# KiCad board Kimiro.kicad_pcb (continued)
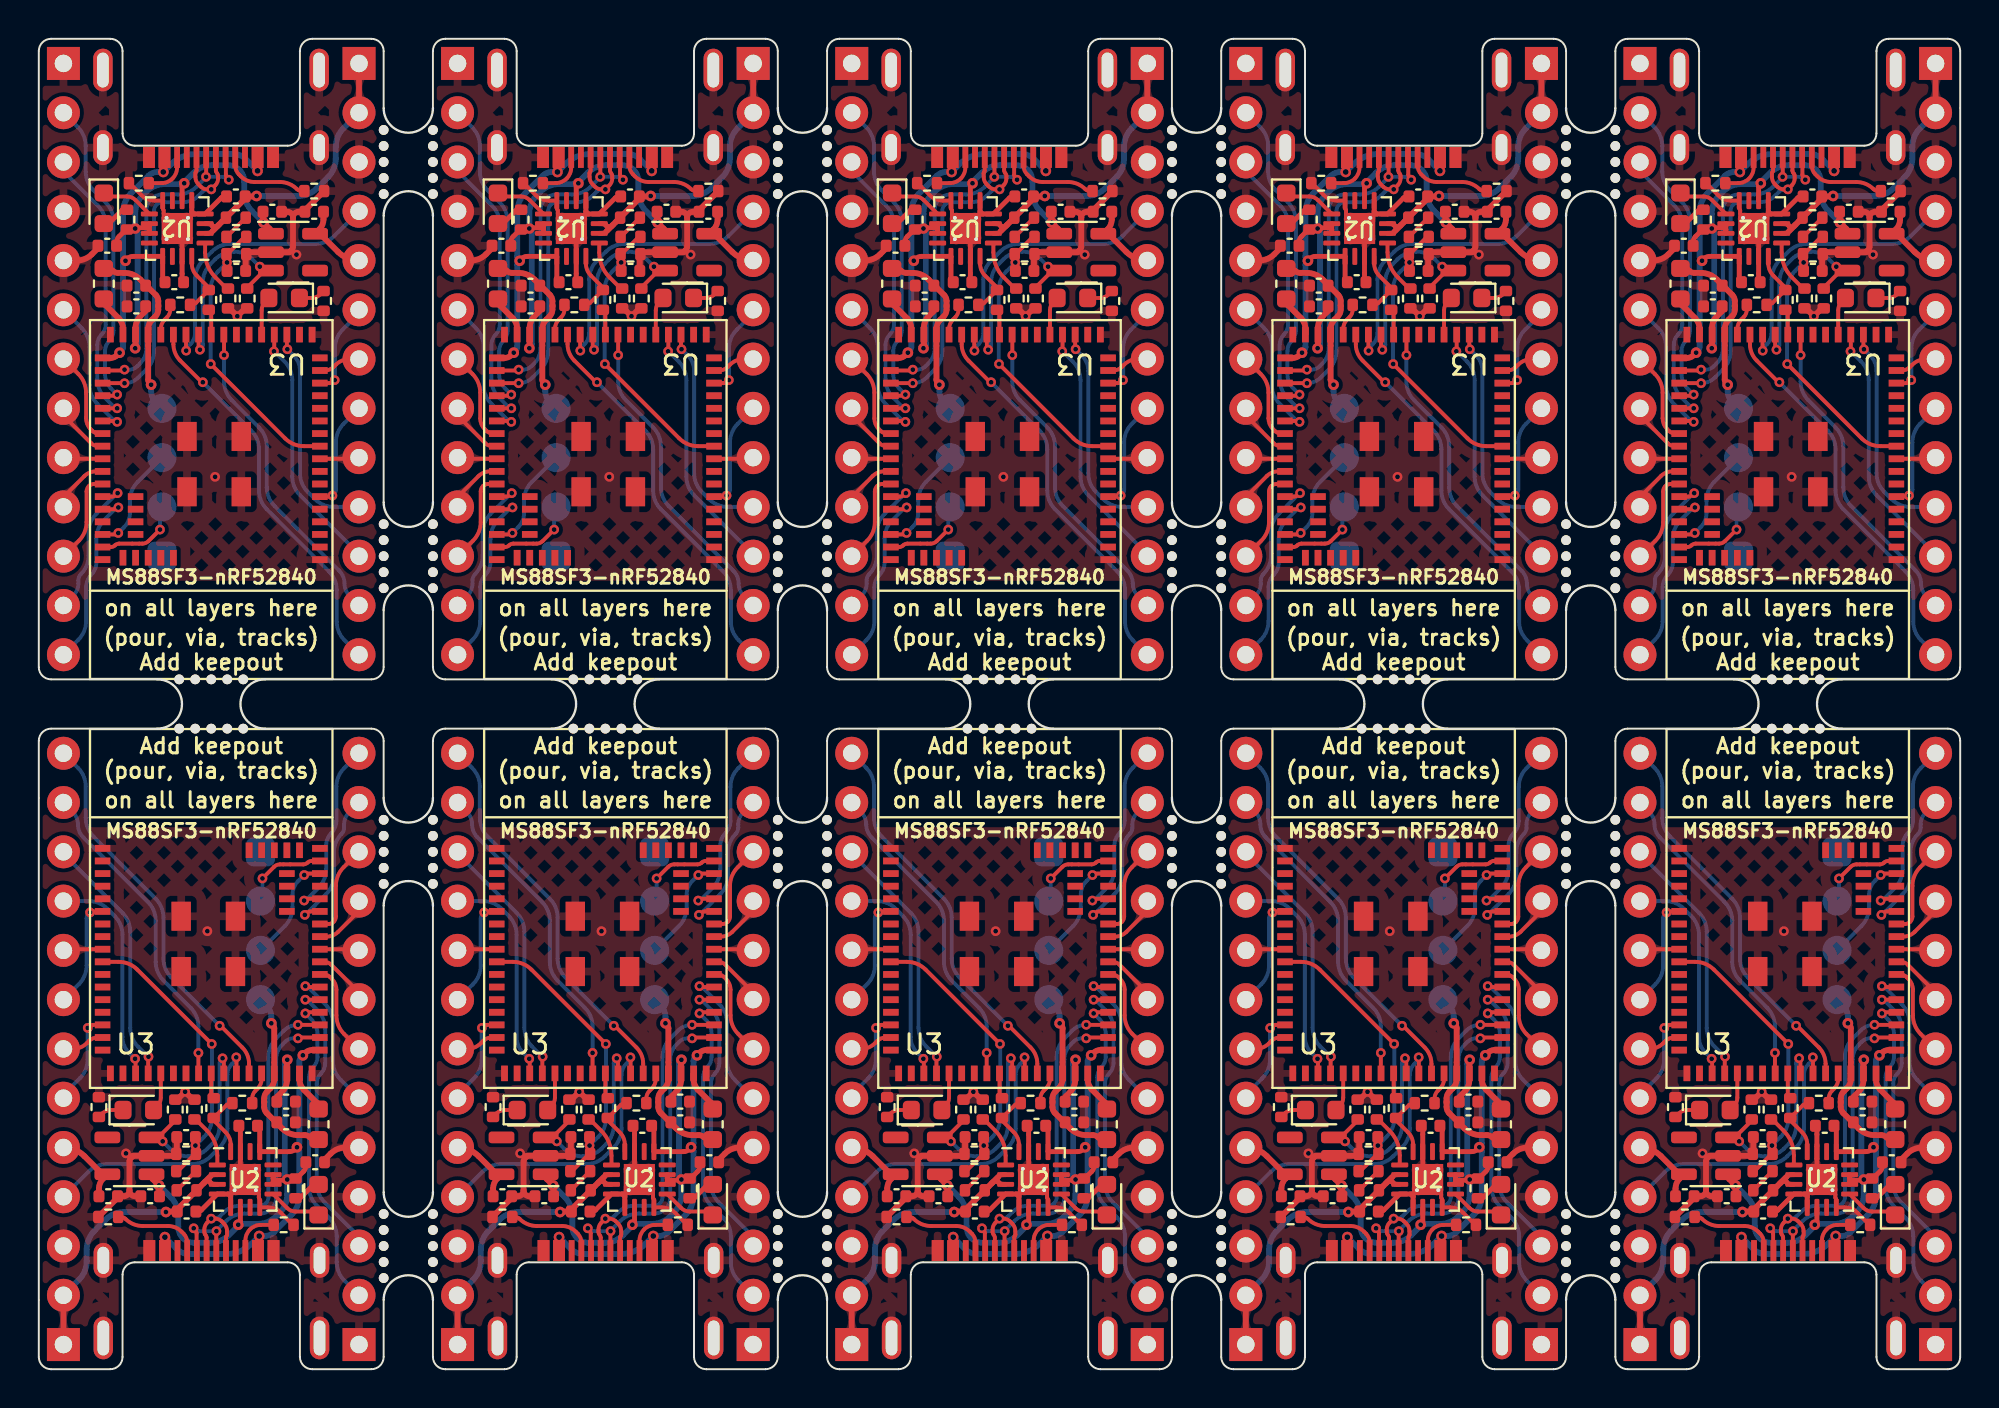
[diagram p0: board, top side]
## Routing (per net, layer and track width the routed paths; a pad name or vN(x,y) marks a point on that pad's centre or on a via; arc(x,y) is an arc through that point) (continued)
023: length 20.4
  Top w0.2: J3#8.9 36.8,21.62 arc(36.77,21.64) 36.73,21.65 U3#4.43 ; U3#5.43 42.01,46.93 arc(41.97,46.94) 41.94,46.96 J3#4.9 ; U3#3.43 57.05,21.65 arc(57.09,21.64) 57.12,21.62 J3.9 ; J3#5.9 21.62,46.96 arc(21.65,46.94) 21.69,46.93 U3#10.43 ; U3.43 97.69,21.65 arc(97.73,21.64) 97.76,21.62 J3#6.9 ; J3#7.9 82.58,46.96 arc(82.61,46.94) 82.65,46.93 U3#2.43 ; J3#3.9 16.48,21.62 arc(16.45,21.64) 16.41,21.65 U3#9.43 ; J3#2.9 77.44,21.62 arc(77.41,21.64) 77.37,21.65 U3#7.43 ; U3#8.43 1.37,46.93 arc(1.33,46.94) 1.3,46.96 J3#10.9 ; J3#9.9 62.26,46.96 arc(62.29,46.94) 62.33,46.93 U3#6.43
024: length 77.7
  Top w0.2: U3#6.46 64.72,44.98 arc(64.83,45) 64.93,45.07 v3(65.02,45.16) 65.02,45.11 arc(65.01,45.06) 64.99,45.02 ; U3#10.46 24.08,44.98 arc(24.19,45) 24.29,45.07 v3(24.38,45.16) 24.38,45.11 arc(24.37,45.06) 24.35,45.02 ; U3#7.46 74.98,23.6 arc(74.87,23.58) 74.77,23.51 v3(74.68,23.42) 74.68,23.47 arc(74.69,23.52) 74.71,23.56 ; U3#4.46 34.34,23.6 arc(34.23,23.58) 34.13,23.51 v3(34.04,23.42) 34.04,23.47 arc(34.05,23.52) 34.07,23.56 ; U3#3.46 54.66,23.6 arc(54.55,23.58) 54.45,23.51 v3(54.36,23.42) 54.36,23.47 arc(54.37,23.52) 54.39,23.56 ; U3.46 95.3,23.6 arc(95.19,23.58) 95.09,23.51 v3(95,23.42) 95,23.47 arc(95.01,23.52) 95.03,23.56 ; U3#9.46 14.02,23.6 arc(13.91,23.58) 13.81,23.51 v3(13.72,23.42) 13.72,23.47 arc(13.73,23.52) 13.75,23.56 ; U3#2.46 85.04,44.98 arc(85.15,45) 85.25,45.07 v3(85.34,45.16) 85.34,45.11 arc(85.33,45.06) 85.31,45.02 ; U3#8.46 3.76,44.98 arc(3.87,45) 3.97,45.07 v3(4.06,45.16) 4.06,45.11 arc(4.05,45.06) 4.03,45.02 ; U3#5.46 44.4,44.98 arc(44.51,45) 44.61,45.07 v3(44.7,45.16) 44.7,45.11 arc(44.69,45.06) 44.67,45.02
  Bottom w0.2: J3.12 56.63,28.69 arc(56.45,28.41) 56.38,28.09 56.38,27.91 arc(56.35,27.74) 56.25,27.6 arc(55.96,27.16) 55.85,26.64 55.85,25.46 arc(55.75,24.93) 55.46,24.49 54.39,23.43 arc(54.38,23.42) 54.37,23.42 v3(54.36,23.42) ; v3(44.7,45.16) 44.69,45.16 arc(44.68,45.16) 44.67,45.15 43.6,44.09 arc(43.31,43.65) 43.21,43.12 43.21,41.94 arc(43.1,41.42) 42.81,40.98 arc(42.71,40.84) 42.68,40.67 42.68,40.49 arc(42.61,40.17) 42.43,39.89 J3#4.12 ; J3#8.12 36.31,28.69 arc(36.13,28.41) 36.06,28.09 36.06,27.91 arc(36.03,27.74) 35.93,27.6 arc(35.64,27.16) 35.53,26.64 35.53,25.46 arc(35.43,24.93) 35.14,24.49 34.07,23.43 arc(34.06,23.42) 34.05,23.42 v3(34.04,23.42) ; v3(65.02,45.16) 65.01,45.16 arc(65,45.16) 64.99,45.15 63.92,44.09 arc(63.63,43.65) 63.53,43.12 63.53,41.94 arc(63.42,41.42) 63.13,40.98 arc(63.03,40.84) 63,40.67 63,40.49 arc(62.93,40.17) 62.75,39.89 J3#9.12 ; v3(74.68,23.42) 74.69,23.42 arc(74.7,23.42) 74.71,23.43 75.78,24.49 arc(76.07,24.93) 76.17,25.46 76.17,26.64 arc(76.28,27.16) 76.57,27.6 arc(76.67,27.74) 76.7,27.91 76.7,28.09 arc(76.77,28.41) 76.95,28.69 J3#2.12 ; v3(85.34,45.16) 85.33,45.16 arc(85.32,45.16) 85.31,45.15 84.24,44.09 arc(83.95,43.65) 83.85,43.12 83.85,41.94 arc(83.74,41.42) 83.45,40.98 arc(83.35,40.84) 83.32,40.67 83.32,40.49 arc(83.25,40.17) 83.07,39.89 J3#7.12 ; J3#10.12 1.79,39.89 arc(1.97,40.17) 2.04,40.49 2.04,40.67 arc(2.07,40.84) 2.17,40.98 arc(2.46,41.42) 2.57,41.94 2.57,43.12 arc(2.67,43.65) 2.96,44.09 4.03,45.15 arc(4.04,45.16) 4.05,45.16 v3(4.06,45.16) ; J3#3.12 15.99,28.69 arc(15.81,28.41) 15.74,28.09 15.74,27.91 arc(15.71,27.74) 15.61,27.6 arc(15.32,27.16) 15.21,26.64 15.21,25.46 arc(15.11,24.93) 14.82,24.49 13.75,23.43 arc(13.74,23.42) 13.73,23.42 v3(13.72,23.42) ; v3(95,23.42) 95.01,23.42 arc(95.02,23.42) 95.03,23.43 96.1,24.49 arc(96.39,24.93) 96.49,25.46 96.49,26.64 arc(96.6,27.16) 96.89,27.6 arc(96.99,27.74) 97.02,27.91 97.02,28.09 arc(97.09,28.41) 97.27,28.69 J3#6.12 ; J3#5.12 22.11,39.89 arc(22.29,40.17) 22.36,40.49 22.36,40.67 arc(22.39,40.84) 22.49,40.98 arc(22.78,41.42) 22.89,41.94 22.89,43.12 arc(22.99,43.65) 23.28,44.09 24.35,45.15 arc(24.36,45.16) 24.37,45.16 v3(24.38,45.16)
100: length 94.6
  Top w0.2: U3#4.47 34.15,24.25 arc(34.09,24.24) 34.04,24.2 v3(34,24.16) ; U3#5.47 44.59,44.33 arc(44.65,44.34) 44.7,44.38 v3(44.74,44.42) ; v3(54.32,24.16) 54.36,24.2 arc(54.41,24.24) 54.47,24.25 U3#3.47 ; U3#2.47 85.23,44.33 arc(85.29,44.34) 85.34,44.38 v3(85.38,44.42) ; U3#7.47 74.79,24.25 arc(74.73,24.24) 74.68,24.2 v3(74.64,24.16) ; v3(24.42,44.42) 24.38,44.38 arc(24.33,44.34) 24.27,44.33 U3#10.47 ; U3.47 95.11,24.25 arc(95.05,24.24) 95,24.2 v3(94.96,24.16) ; U3#6.47 64.91,44.33 arc(64.97,44.34) 65.02,44.38 v3(65.06,44.42) ; U3#8.47 3.95,44.33 arc(4.01,44.34) 4.06,44.38 v3(4.1,44.42) ; U3#9.47 13.83,24.25 arc(13.77,24.24) 13.72,24.2 v3(13.68,24.16)
  Bottom w0.2: J3#4.13 42.68,37.6 arc(42.97,38.04) 43.08,38.56 43.08,40.31 arc(43.15,40.66) 43.34,40.95 arc(43.54,41.24) 43.6,41.58 43.6,42.81 arc(43.71,43.33) 44,43.77 44.62,44.39 arc(44.66,44.41) 44.7,44.42 v3(44.74,44.42) ; v3(24.42,44.42) 24.38,44.42 arc(24.34,44.41) 24.3,44.39 23.68,43.77 arc(23.39,43.33) 23.28,42.81 23.28,41.58 arc(23.22,41.24) 23.02,40.95 arc(22.83,40.66) 22.76,40.31 22.76,38.56 arc(22.65,38.04) 22.36,37.6 J3#5.13 ; J3#8.13 36.06,30.98 arc(35.77,30.54) 35.66,30.02 35.66,28.27 arc(35.59,27.92) 35.4,27.63 arc(35.2,27.34) 35.14,27 35.14,25.77 arc(35.03,25.25) 34.74,24.81 34.12,24.19 arc(34.08,24.17) 34.04,24.16 v3(34,24.16) ; v3(54.32,24.16) 54.36,24.16 arc(54.4,24.17) 54.44,24.19 55.06,24.81 arc(55.35,25.25) 55.46,25.77 55.46,27 arc(55.52,27.34) 55.72,27.63 arc(55.91,27.92) 55.98,28.27 55.98,30.02 arc(56.09,30.54) 56.38,30.98 J3.13 ; J3#7.13 83.32,37.6 arc(83.61,38.04) 83.72,38.56 83.72,40.31 arc(83.79,40.66) 83.98,40.95 arc(84.18,41.24) 84.24,41.58 84.24,42.81 arc(84.35,43.33) 84.64,43.77 85.26,44.39 arc(85.3,44.41) 85.34,44.42 v3(85.38,44.42) ; J3#9.13 63,37.6 arc(63.29,38.04) 63.4,38.56 63.4,40.31 arc(63.47,40.66) 63.66,40.95 arc(63.86,41.24) 63.92,41.58 63.92,42.81 arc(64.03,43.33) 64.32,43.77 64.94,44.39 arc(64.98,44.41) 65.02,44.42 v3(65.06,44.42) ; v3(4.1,44.42) 4.06,44.42 arc(4.02,44.41) 3.98,44.39 3.36,43.77 arc(3.07,43.33) 2.96,42.81 2.96,41.58 arc(2.9,41.24) 2.7,40.95 arc(2.51,40.66) 2.44,40.31 2.44,38.56 arc(2.33,38.04) 2.04,37.6 J3#10.13 ; v3(94.96,24.16) 95,24.16 arc(95.04,24.17) 95.08,24.19 95.7,24.81 arc(95.99,25.25) 96.1,25.77 96.1,27 arc(96.16,27.34) 96.36,27.63 arc(96.55,27.92) 96.62,28.27 96.62,30.02 arc(96.73,30.54) 97.02,30.98 J3#6.13 ; J3#2.13 76.7,30.98 arc(76.41,30.54) 76.3,30.02 76.3,28.27 arc(76.23,27.92) 76.04,27.63 arc(75.84,27.34) 75.78,27 75.78,25.77 arc(75.67,25.25) 75.38,24.81 74.76,24.19 arc(74.72,24.17) 74.68,24.16 v3(74.64,24.16) ; J3#3.13 15.74,30.98 arc(15.45,30.54) 15.34,30.02 15.34,28.27 arc(15.27,27.92) 15.08,27.63 arc(14.88,27.34) 14.82,27 14.82,25.77 arc(14.71,25.25) 14.42,24.81 13.8,24.19 arc(13.76,24.17) 13.72,24.16 v3(13.68,24.16)
108: length 131.3
  Top w0.2: U3.21 86.92,16.08 arc(86.92,16.09) 86.93,16.1 v3(86.94,16.11) ; U3#4.21 25.96,16.08 arc(25.96,16.09) 25.97,16.1 v3(25.98,16.11) ; v3(73.08,52.47) 73.09,52.48 arc(73.1,52.49) 73.1,52.5 U3#6.21 ; v3(93.4,52.47) 93.41,52.48 arc(93.42,52.49) 93.42,52.5 U3#2.21 ; v3(66.62,16.11) 66.61,16.1 arc(66.6,16.09) 66.6,16.08 U3#7.21 ; U3#10.21 32.46,52.5 arc(32.46,52.49) 32.45,52.48 v3(32.44,52.47) ; v3(46.3,16.11) 46.29,16.1 arc(46.28,16.09) 46.28,16.08 U3#3.21 ; U3#8.21 12.14,52.5 arc(12.14,52.49) 12.13,52.48 v3(12.12,52.47) ; v3(52.76,52.47) 52.77,52.48 arc(52.78,52.49) 52.78,52.5 U3#5.21 ; v3(5.66,16.11) 5.65,16.1 arc(5.64,16.09) 5.64,16.08 U3#9.21
  Bottom w0.2: v3(46.3,16.11) 46.28,16.11 arc(46.27,16.11) 46.27,16.12 45.75,16.63 arc(45.46,17.07) 45.35,17.59 45.35,22.56 arc(45.25,23.08) 44.95,23.52 41.95,26.53 arc(41.92,26.57) 41.91,26.62 J4#10.11 ; J4.11 77.47,41.96 arc(77.46,42.01) 77.43,42.05 74.43,45.06 arc(74.13,45.5) 74.03,46.02 74.03,50.99 arc(73.92,51.51) 73.63,51.95 73.11,52.46 arc(73.11,52.47) 73.1,52.47 v3(73.08,52.47) ; J4#8.11 21.59,26.62 arc(21.6,26.57) 21.63,26.53 24.63,23.52 arc(24.93,23.08) 25.03,22.56 25.03,17.59 arc(25.14,17.07) 25.43,16.63 25.95,16.12 arc(25.95,16.11) 25.96,16.11 v3(25.98,16.11) ; J4#5.11 82.55,26.62 arc(82.56,26.57) 82.59,26.53 85.59,23.52 arc(85.89,23.08) 85.99,22.56 85.99,17.59 arc(86.1,17.07) 86.39,16.63 86.91,16.12 arc(86.91,16.11) 86.92,16.11 v3(86.94,16.11) ; v3(12.12,52.47) 12.14,52.47 arc(12.15,52.47) 12.15,52.46 12.67,51.95 arc(12.96,51.51) 13.07,50.99 13.07,46.02 arc(13.17,45.5) 13.47,45.06 16.47,42.05 arc(16.5,42.01) 16.51,41.96 J4#7.11 ; v3(5.66,16.11) 5.64,16.11 arc(5.63,16.11) 5.63,16.12 5.11,16.63 arc(4.82,17.07) 4.71,17.59 4.71,22.56 arc(4.61,23.08) 4.31,23.52 1.31,26.53 arc(1.28,26.57) 1.27,26.62 J4#9.11 ; J4#6.11 36.83,41.96 arc(36.82,42.01) 36.79,42.05 33.79,45.06 arc(33.49,45.5) 33.39,46.02 33.39,50.99 arc(33.28,51.51) 32.99,51.95 32.47,52.46 arc(32.47,52.47) 32.46,52.47 v3(32.44,52.47) ; v3(93.4,52.47) 93.42,52.47 arc(93.43,52.47) 93.43,52.46 93.95,51.95 arc(94.24,51.51) 94.35,50.99 94.35,46.02 arc(94.45,45.5) 94.75,45.06 97.75,42.05 arc(97.78,42.01) 97.79,41.96 J4#4.11 ; J4#2.11 57.15,41.96 arc(57.14,42.01) 57.11,42.05 54.11,45.06 arc(53.81,45.5) 53.71,46.02 53.71,50.99 arc(53.6,51.51) 53.31,51.95 52.79,52.46 arc(52.79,52.47) 52.78,52.47 v3(52.76,52.47) ; v3(66.62,16.11) 66.6,16.11 arc(66.59,16.11) 66.59,16.12 66.07,16.63 arc(65.78,17.07) 65.67,17.59 65.67,22.56 arc(65.57,23.08) 65.27,23.52 62.27,26.53 arc(62.24,26.57) 62.23,26.62 J4#3.11
BATTERY_PIN: length 153.1
  Top w0.2: v3(49.56,16.76) 45.72,20.6 arc(45.28,20.9) 44.76,21 U3#3.10 ; 89.36,11.1 89.36,11.1 arc(89.34,11.1) 89.32,11.08 88.51,10.28 arc(88.47,10.25) 88.42,10.24 88.36,10.24 ; 89.36,11.1 arc(89.37,11.11) 89.37,11.11 ; 89.36,11.1 arc(89.38,11.11) 89.38,11.12 ; 47.72,10.24 47.78,10.24 arc(47.83,10.25) 47.87,10.28 48.68,11.08 arc(48.7,11.1) 48.72,11.1 48.72,11.1 ; 69.06,11.12 69.06,11.3 ; 69.06,11.12 arc(69.06,11.11) 69.04,11.1 ; 69.06,11.12 arc(69.06,11.11) 69.05,11.11 ; v3(90.14,51.82) 93.98,47.98 arc(94.42,47.68) 94.94,47.58 U3#2.10 ; U3#10.10 33.98,47.58 arc(33.46,47.68) 33.02,47.98 v3(29.18,51.82) ; 90.98,57.48 90.98,57.48 arc(91,57.48) 91.02,57.5 91.83,58.3 arc(91.87,58.33) 91.92,58.34 91.98,58.34 ; 90.98,57.48 arc(90.96,57.47) 90.96,57.46 ; 90.98,57.48 arc(90.97,57.47) 90.97,57.47 ; 9.68,57.46 9.68,57.28 ; 9.68,57.46 arc(9.68,57.47) 9.7,57.48 ; 9.68,57.46 arc(9.68,57.47) 9.69,57.47 ; C4#4.1 v3(48.71,11.53) 48.71,11.15 arc(48.72,11.13) 48.73,11.11 ; 30.02,57.48 30.02,57.48 arc(30.04,57.48) 30.06,57.5 30.87,58.3 arc(30.91,58.33) 30.96,58.34 31.02,58.34 ; 30.02,57.48 arc(30,57.47) 30,57.46 ; 30.02,57.48 arc(30.01,57.47) 30.01,57.47 ; 50.34,57.48 50.34,57.48 arc(50.36,57.48) 50.38,57.5 51.19,58.3 arc(51.23,58.33) 51.28,58.34 51.34,58.34 ; 50.34,57.48 arc(50.33,57.47) 50.33,57.47 ; 50.34,57.48 arc(50.32,57.47) 50.32,57.46 ; U3#5.10 54.3,47.58 arc(53.78,47.68) 53.34,47.98 v3(49.5,51.82) ; 69.04,11.1 69.04,11.1 arc(69.02,11.1) 69,11.08 68.19,10.28 arc(68.15,10.25) 68.1,10.24 68.04,10.24 ; 69.04,11.1 arc(69.05,11.11) 69.05,11.11 ; C4#9.1 v3(90.99,57.05) 90.99,57.43 arc(90.98,57.45) 90.97,57.47 ; 8.08,11.1 8.08,11.1 arc(8.06,11.1) 8.04,11.08 7.23,10.28 arc(7.19,10.25) 7.14,10.24 7.08,10.24 ; 8.08,11.1 arc(8.09,11.11) 8.09,11.11 ; 8.08,11.1 arc(8.1,11.11) 8.1,11.12 ; C4#10.1 v3(30.03,57.05) 30.03,57.43 arc(30.02,57.45) 30.01,57.47 ; 89.38,11.12 89.38,11.3 ; 89.38,11.12 arc(89.38,11.11) 89.37,11.11 ; 48.72,11.1 arc(48.74,11.11) 48.74,11.12 ; 48.72,11.1 arc(48.73,11.11) 48.73,11.11 ; C4#5.1 v3(28.39,11.53) 28.39,11.15 arc(28.4,11.13) 28.41,11.11 ; v3(8.86,51.82) 12.7,47.98 arc(13.14,47.68) 13.66,47.58 U3#8.10 ; C4.1 v3(9.71,57.05) 9.71,57.43 arc(9.7,57.45) 9.69,57.47 ; v3(8.92,16.76) 5.08,20.6 arc(4.64,20.9) 4.12,21 U3#9.10 ; C4#6.1 v3(8.07,11.53) 8.07,11.15 arc(8.08,11.13) 8.09,11.11 ; C4#7.1 v3(69.03,11.53) 69.03,11.15 arc(69.04,11.13) 69.05,11.11 ; 30,57.46 30,57.28 ; 30,57.46 arc(30,57.47) 30.01,57.47 ; 28.42,11.12 28.42,11.3 ; 28.42,11.12 arc(28.42,11.11) 28.41,11.11 ; 28.42,11.12 arc(28.42,11.11) 28.4,11.1 ; C4#2.1 v3(50.35,57.05) 50.35,57.43 arc(50.34,57.45) 50.33,57.47 ; 48.74,11.12 48.74,11.3 ; 48.74,11.12 arc(48.74,11.11) 48.73,11.11 ; v3(90.2,16.76) 86.36,20.6 arc(85.92,20.9) 85.4,21 U3.10 ; 10.7,58.34 10.64,58.34 arc(10.59,58.33) 10.55,58.3 9.74,57.5 arc(9.72,57.48) 9.7,57.48 9.7,57.48 ; U3#6.10 74.62,47.58 arc(74.1,47.68) 73.66,47.98 v3(69.82,51.82) ; 8.1,11.12 8.1,11.3 ; 8.1,11.12 arc(8.1,11.11) 8.09,11.11 ; C4#3.1 v3(70.67,57.05) 70.67,57.43 arc(70.66,57.45) 70.65,57.47 ; 70.64,57.46 70.64,57.28 ; 70.64,57.46 arc(70.64,57.47) 70.66,57.48 ; 70.64,57.46 arc(70.64,57.47) 70.65,57.47 ; 90.96,57.46 90.96,57.28 ; 90.96,57.46 arc(90.96,57.47) 90.97,57.47 ; U3#7.10 65.08,21 arc(65.6,20.9) 66.04,20.6 v3(69.88,16.76) ; 71.66,58.34 71.6,58.34 arc(71.55,58.33) 71.51,58.3 70.7,57.5 arc(70.68,57.48) 70.66,57.48 70.66,57.48 ; 70.66,57.48 arc(70.65,57.47) 70.65,57.47 ; C4#8.1 v3(89.35,11.53) 89.35,11.15 arc(89.36,11.13) 89.37,11.11 ; 27.4,10.24 27.46,10.24 arc(27.51,10.25) 27.55,10.28 28.36,11.08 arc(28.38,11.1) 28.4,11.1 28.4,11.1 ; 9.7,57.48 arc(9.69,57.47) 9.69,57.47 ; U3#4.10 24.44,21 arc(24.96,20.9) 25.4,20.6 v3(29.24,16.76) ; 50.32,57.46 50.32,57.28 ; 50.32,57.46 arc(50.32,57.47) 50.33,57.47 ; 28.4,11.1 arc(28.41,11.11) 28.41,11.11
  Bottom w0.2: v3(9.71,57.05) 9.25,56.6 arc(8.96,56.16) 8.86,55.64 8.86,51.83 arc(8.86,51.83) 8.86,51.82 v3(8.86,51.82) ; v3(90.99,57.05) 90.53,56.6 arc(90.24,56.16) 90.14,55.64 90.14,51.83 arc(90.14,51.83) 90.14,51.82 v3(90.14,51.82) ; v3(50.35,57.05) 49.89,56.6 arc(49.6,56.16) 49.5,55.64 49.5,51.83 arc(49.5,51.83) 49.5,51.82 v3(49.5,51.82) ; v3(89.35,11.53) 89.81,11.98 arc(90.1,12.42) 90.2,12.94 90.2,16.75 arc(90.2,16.75) 90.2,16.76 v3(90.2,16.76) ; v3(70.67,57.05) 70.21,56.6 arc(69.92,56.16) 69.82,55.64 69.82,51.83 arc(69.82,51.83) 69.82,51.82 v3(69.82,51.82) ; v3(8.07,11.53) 8.53,11.98 arc(8.82,12.42) 8.92,12.94 8.92,16.75 arc(8.92,16.75) 8.92,16.76 v3(8.92,16.76) ; v3(69.03,11.53) 69.49,11.98 arc(69.78,12.42) 69.88,12.94 69.88,16.75 arc(69.88,16.75) 69.88,16.76 v3(69.88,16.76) ; v3(29.18,51.82) 29.18,51.82 arc(29.18,51.83) 29.18,51.83 29.18,55.64 arc(29.28,56.16) 29.57,56.6 v3(30.03,57.05) ; v3(48.71,11.53) 49.17,11.98 arc(49.46,12.42) 49.56,12.94 49.56,16.75 arc(49.56,16.75) 49.56,16.76 v3(49.56,16.76) ; v3(28.39,11.53) 28.85,11.98 arc(29.14,12.42) 29.24,12.94 29.24,16.75 arc(29.24,16.75) 29.24,16.76 v3(29.24,16.76)
CHARGE_CTRL_1: length 19.1
  Top w0.2: 71.8,13.85 71.96,13.69 ; U3#8.30 6.29,53.62 arc(6.34,53.88) 6.49,54.11 6.61,54.23 arc(6.74,54.41) 6.78,54.63 R4#4.1 ; U3.30 92.77,14.96 arc(92.72,14.7) 92.57,14.47 92.45,14.35 arc(92.32,14.17) 92.28,13.95 R4#8.1 ; R4#7.1 71.96,13.95 arc(72,14.17) 72.13,14.35 72.25,14.47 arc(72.4,14.7) 72.45,14.96 U3#7.30 ; U3#10.30 26.61,53.62 arc(26.66,53.88) 26.81,54.11 26.93,54.23 arc(27.06,54.41) 27.1,54.63 R4#6.1 ; R4#5.1 51.64,13.95 arc(51.68,14.17) 51.81,14.35 51.93,14.47 arc(52.08,14.7) 52.13,14.96 U3#3.30 ; U3#5.30 46.93,53.62 arc(46.98,53.88) 47.13,54.11 47.25,54.23 arc(47.38,54.41) 47.42,54.63 R4#9.1 ; U3#9.30 11.49,14.96 arc(11.44,14.7) 11.29,14.47 11.17,14.35 arc(11.04,14.17) 11,13.95 R4.1 ; R4#2.1 31.32,13.95 arc(31.36,14.17) 31.49,14.35 31.61,14.47 arc(31.76,14.7) 31.81,14.96 U3#4.30 ; U3#6.30 67.25,53.62 arc(67.3,53.88) 67.45,54.11 67.57,54.23 arc(67.7,54.41) 67.74,54.63 R4#10.1 ; 51.48,13.85 51.64,13.69 ; 47.58,54.73 47.42,54.89 ; 31.16,13.85 31.32,13.69 ; 67.9,54.73 67.74,54.89 ; 10.84,13.85 11,13.69 ; U3#2.30 87.57,53.62 arc(87.62,53.88) 87.77,54.11 87.89,54.23 arc(88.02,54.41) 88.06,54.63 R4#3.1 ; 27.26,54.73 27.1,54.89 ; 88.22,54.73 88.06,54.89 ; 92.12,13.85 92.28,13.69 ; 6.94,54.73 6.78,54.89
CHARGE_CTRL_2: length 13.2
  Top w0.2: R5#7.2 29.15,54.54 arc(29.19,54.47) 29.21,54.39 U3#10.26 ; U3#4.26 29.21,14.19 arc(29.23,14.11) 29.27,14.04 R5.2 ; U3#9.26 8.89,14.19 arc(8.91,14.11) 8.95,14.04 R5#8.2 ; U3#5.26 49.53,54.39 arc(49.51,54.47) 49.47,54.54 R5#9.2 ; R5#6.2 90.23,14.04 arc(90.19,14.11) 90.17,14.19 U3.26 ; U3#6.26 69.85,54.39 arc(69.83,54.47) 69.79,54.54 R5#10.2 ; R5#3.2 69.91,14.04 arc(69.87,14.11) 69.85,14.19 U3#7.26 ; R5#4.2 49.59,14.04 arc(49.55,14.11) 49.53,14.19 U3#3.26 ; U3#2.26 90.17,54.39 arc(90.15,54.47) 90.11,54.54 R5#5.2 ; U3#8.26 8.89,54.39 arc(8.87,54.47) 8.83,54.54 R5#2.2
D+: length 178.6
  Top w0.2: 8.65,6.29 8.65,6.79 arc(8.64,6.86) 8.59,6.93 arc(8.55,6.99) 8.53,7.07 8.53,7.2 arc(8.57,7.39) 8.68,7.56 v3(8.89,7.76) 9.09,7.76 arc(9.27,7.72) 9.43,7.62 9.55,7.5 arc(9.67,7.33) 9.71,7.12 9.71,6.93 arc(9.7,6.89) 9.68,6.86 arc(9.66,6.83) 9.65,6.79 9.65,6.29 ; U3#7.37 74.33,17.75 arc(74.33,17.75) 74.32,17.75 v3(74.32,17.75) ; 89.93,6.29 89.93,6.79 arc(89.92,6.86) 89.87,6.93 arc(89.83,6.99) 89.81,7.07 89.81,7.2 arc(89.85,7.39) 89.96,7.56 v3(90.17,7.76) 90.37,7.76 arc(90.55,7.72) 90.71,7.62 90.83,7.5 arc(90.95,7.33) 90.99,7.12 90.99,6.93 arc(90.98,6.89) 90.96,6.86 arc(90.94,6.83) 90.93,6.79 90.93,6.29 ; 29.97,6.29 29.97,6.79 arc(29.98,6.83) 30,6.86 arc(30.02,6.89) 30.03,6.93 30.03,7.12 arc(29.99,7.33) 29.87,7.5 29.75,7.62 arc(29.59,7.72) 29.41,7.76 v3(29.21,7.76) 29,7.56 arc(28.89,7.39) 28.85,7.2 28.85,7.07 arc(28.87,6.99) 28.91,6.93 arc(28.96,6.86) 28.97,6.79 28.97,6.29 ; v3(65.38,50.83) 65.38,50.83 arc(65.37,50.83) 65.37,50.83 U3#6.37 ; U3#10.37 24.73,50.83 arc(24.73,50.83) 24.74,50.83 v3(24.74,50.83) ; v3(33.68,17.75) 33.68,17.75 arc(33.69,17.75) 33.69,17.75 U3#4.37 ; 50.29,6.29 50.29,6.79 arc(50.3,6.83) 50.32,6.86 arc(50.34,6.89) 50.35,6.93 50.35,7.12 arc(50.31,7.33) 50.19,7.5 50.07,7.62 arc(49.91,7.72) 49.73,7.76 v3(49.53,7.76) 49.32,7.56 arc(49.21,7.39) 49.17,7.2 49.17,7.07 arc(49.19,6.99) 49.23,6.93 arc(49.28,6.86) 49.29,6.79 49.29,6.29 ; 70.09,62.29 70.09,61.79 arc(70.1,61.72) 70.15,61.65 arc(70.19,61.59) 70.21,61.51 70.21,61.38 arc(70.17,61.19) 70.06,61.02 v3(69.85,60.82) 69.65,60.82 arc(69.47,60.86) 69.31,60.96 69.19,61.08 arc(69.07,61.25) 69.03,61.46 69.03,61.65 arc(69.04,61.69) 69.06,61.72 arc(69.08,61.75) 69.09,61.79 69.09,62.29 ; U3#8.37 4.41,50.83 arc(4.41,50.83) 4.42,50.83 v3(4.42,50.83) ; v3(13.36,17.75) 13.36,17.75 arc(13.37,17.75) 13.37,17.75 U3#9.37 ; 9.13,62.29 9.13,61.79 arc(9.14,61.72) 9.19,61.65 arc(9.23,61.59) 9.25,61.51 9.25,61.38 arc(9.21,61.19) 9.1,61.02 v3(8.89,60.82) 8.69,60.82 arc(8.51,60.86) 8.35,60.96 8.23,61.08 arc(8.11,61.25) 8.07,61.46 8.07,61.65 arc(8.08,61.69) 8.1,61.72 arc(8.12,61.75) 8.13,61.79 8.13,62.29 ; 49.77,62.29 49.77,61.79 arc(49.78,61.72) 49.83,61.65 arc(49.87,61.59) 49.89,61.51 49.89,61.38 arc(49.85,61.19) 49.74,61.02 v3(49.53,60.82) 49.33,60.82 arc(49.15,60.86) 48.99,60.96 48.87,61.08 arc(48.75,61.25) 48.71,61.46 48.71,61.65 arc(48.72,61.69) 48.74,61.72 arc(48.76,61.75) 48.77,61.79 48.77,62.29 ; 28.45,62.29 28.45,61.79 arc(28.44,61.75) 28.42,61.72 arc(28.4,61.69) 28.39,61.65 28.39,61.46 arc(28.43,61.25) 28.55,61.08 28.67,60.96 arc(28.83,60.86) 29.01,60.82 v3(29.21,60.82) 29.42,61.02 arc(29.53,61.19) 29.57,61.38 29.57,61.51 arc(29.55,61.59) 29.51,61.65 arc(29.46,61.72) 29.45,61.79 29.45,62.29 ; v3(85.7,50.83) 85.7,50.83 arc(85.69,50.83) 85.69,50.83 U3#2.37 ; U3.37 94.65,17.75 arc(94.65,17.75) 94.64,17.75 v3(94.64,17.75) ; v3(54,17.75) 54,17.75 arc(54.01,17.75) 54.01,17.75 U3#3.37 ; 90.41,62.29 90.41,61.79 arc(90.42,61.72) 90.47,61.65 arc(90.51,61.59) 90.53,61.51 90.53,61.38 arc(90.49,61.19) 90.38,61.02 v3(90.17,60.82) 89.97,60.82 arc(89.79,60.86) 89.63,60.96 89.51,61.08 arc(89.39,61.25) 89.35,61.46 89.35,61.65 arc(89.36,61.69) 89.38,61.72 arc(89.4,61.75) 89.41,61.79 89.41,62.29 ; U3#5.37 45.05,50.83 arc(45.05,50.83) 45.06,50.83 v3(45.06,50.83) ; 70.61,6.29 70.61,6.79 arc(70.62,6.83) 70.64,6.86 arc(70.66,6.89) 70.67,6.93 70.67,7.12 arc(70.63,7.33) 70.51,7.5 70.39,7.62 arc(70.23,7.72) 70.05,7.76 v3(69.85,7.76) 69.64,7.56 arc(69.53,7.39) 69.49,7.2 69.49,7.07 arc(69.51,6.99) 69.55,6.93 arc(69.6,6.86) 69.61,6.79 69.61,6.29
  Bottom w0.2: v3(8.89,7.76) 9.05,7.76 arc(9.21,7.79) 9.34,7.88 9.55,8.09 arc(9.91,8.34) 10.35,8.42 11.4,8.42 arc(11.56,8.46) 11.71,8.55 arc(11.8,8.69) 11.84,8.86 11.84,16.09 arc(11.94,16.61) 12.23,17.05 12.64,17.46 arc(12.97,17.68) v3(13.36,17.75) ; v3(49.53,7.76) 49.69,7.76 arc(49.85,7.79) 49.98,7.88 50.19,8.09 arc(50.55,8.34) 50.99,8.42 52.04,8.42 arc(52.2,8.46) 52.35,8.55 arc(52.44,8.69) 52.48,8.86 52.48,16.09 arc(52.58,16.61) 52.87,17.05 53.28,17.46 arc(53.61,17.68) v3(54,17.75) ; v3(69.85,60.82) 69.69,60.82 arc(69.53,60.79) 69.4,60.7 69.19,60.49 arc(68.83,60.24) 68.39,60.16 67.34,60.16 arc(67.18,60.12) 67.03,60.03 arc(66.94,59.89) 66.9,59.72 66.9,52.49 arc(66.8,51.97) 66.51,51.53 66.1,51.12 arc(65.77,50.9) v3(65.38,50.83) ; v3(29.21,60.82) 29.05,60.82 arc(28.89,60.79) 28.76,60.7 28.55,60.49 arc(28.19,60.24) 27.75,60.16 26.7,60.16 arc(26.54,60.12) 26.39,60.03 arc(26.3,59.89) 26.26,59.72 26.26,52.49 arc(26.16,51.97) 25.87,51.53 25.46,51.12 arc(25.13,50.9) v3(24.74,50.83) ; v3(90.17,7.76) 90.33,7.76 arc(90.49,7.79) 90.62,7.88 90.83,8.09 arc(91.19,8.34) 91.63,8.42 92.68,8.42 arc(92.84,8.46) 92.99,8.55 arc(93.08,8.69) 93.12,8.86 93.12,16.09 arc(93.22,16.61) 93.51,17.05 93.92,17.46 arc(94.25,17.68) v3(94.64,17.75) ; v3(8.89,60.82) 8.73,60.82 arc(8.57,60.79) 8.44,60.7 8.23,60.49 arc(7.87,60.24) 7.43,60.16 6.38,60.16 arc(6.22,60.12) 6.07,60.03 arc(5.98,59.89) 5.94,59.72 5.94,52.49 arc(5.84,51.97) 5.55,51.53 5.14,51.12 arc(4.81,50.9) v3(4.42,50.83) ; v3(29.21,7.76) 29.37,7.76 arc(29.53,7.79) 29.66,7.88 29.87,8.09 arc(30.23,8.34) 30.67,8.42 31.72,8.42 arc(31.88,8.46) 32.03,8.55 arc(32.12,8.69) 32.16,8.86 32.16,16.09 arc(32.26,16.61) 32.55,17.05 32.96,17.46 arc(33.29,17.68) v3(33.68,17.75) ; v3(90.17,60.82) 90.01,60.82 arc(89.85,60.79) 89.72,60.7 89.51,60.49 arc(89.15,60.24) 88.71,60.16 87.66,60.16 arc(87.5,60.12) 87.35,60.03 arc(87.26,59.89) 87.22,59.72 87.22,52.49 arc(87.12,51.97) 86.83,51.53 86.42,51.12 arc(86.09,50.9) v3(85.7,50.83) ; v3(69.85,7.76) 70.01,7.76 arc(70.17,7.79) 70.3,7.88 70.51,8.09 arc(70.87,8.34) 71.31,8.42 72.36,8.42 arc(72.52,8.46) 72.67,8.55 arc(72.76,8.69) 72.8,8.86 72.8,16.09 arc(72.9,16.61) 73.19,17.05 73.6,17.46 arc(73.93,17.68) v3(74.32,17.75) ; v3(49.53,60.82) 49.37,60.82 arc(49.21,60.79) 49.08,60.7 48.87,60.49 arc(48.51,60.24) 48.07,60.16 47.02,60.16 arc(46.86,60.12) 46.71,60.03 arc(46.62,59.89) 46.58,59.72 46.58,52.49 arc(46.48,51.97) 46.19,51.53 45.78,51.12 arc(45.45,50.9) v3(45.06,50.83)
D-: length 170.6
  Top w0.2: v3(50.44,61.32) 50.36,61.39 arc(50.3,61.47) 50.29,61.57 50.29,62.27 arc(50.28,62.28) 50.28,62.29 50.27,62.29 ; 69.11,6.29 69.1,6.29 arc(69.1,6.3) 69.09,6.31 69.09,7.01 arc(69.08,7.11) 69.02,7.19 v3(68.94,7.26) ; U3#6.36 65.3,51.48 arc(65.33,51.49) 65.36,51.5 v3(65.38,51.52) ; 89.91,62.29 89.91,61.48 arc(89.91,61.47) 89.91,61.47 v3(89.9,61.46) ; U3#7.36 74.4,17.1 arc(74.37,17.09) 74.34,17.08 v3(74.32,17.06) ; v3(13.36,17.06) 13.38,17.08 arc(13.41,17.09) 13.44,17.1 U3#9.36 ; v3(89.26,7.26) 89.34,7.19 arc(89.4,7.11) 89.41,7.01 89.41,6.31 arc(89.42,6.3) 89.42,6.29 89.43,6.29 ; 29.95,62.29 29.96,62.29 arc(29.96,62.28) 29.97,62.27 29.97,61.57 arc(29.98,61.47) 30.04,61.39 v3(30.12,61.32) ; v3(8.62,61.46) 8.63,61.47 arc(8.63,61.47) 8.63,61.48 8.63,62.29 ; U3#2.36 85.62,51.48 arc(85.65,51.49) 85.68,51.5 v3(85.7,51.52) ; 49.79,6.29 49.79,7.1 arc(49.79,7.11) 49.79,7.11 v3(49.8,7.12) ; v3(90.44,7.12) 90.43,7.11 arc(90.43,7.11) 90.43,7.1 90.43,6.29 ; 48.79,6.29 48.78,6.29 arc(48.78,6.3) 48.77,6.31 48.77,7.01 arc(48.76,7.11) 48.7,7.19 v3(48.62,7.26) ; 69.59,62.29 69.59,61.48 arc(69.59,61.47) 69.59,61.47 v3(69.58,61.46) ; v3(7.98,7.26) 8.06,7.19 arc(8.12,7.11) 8.13,7.01 8.13,6.31 arc(8.14,6.3) 8.14,6.29 8.15,6.29 ; v3(28.3,7.26) 28.38,7.19 arc(28.44,7.11) 28.45,7.01 28.45,6.31 arc(28.46,6.3) 28.46,6.29 28.47,6.29 ; 29.47,6.29 29.47,7.1 arc(29.47,7.11) 29.47,7.11 v3(29.48,7.12) ; 49.27,62.29 49.27,61.48 arc(49.27,61.47) 49.27,61.47 v3(49.26,61.46) ; U3#8.36 4.34,51.48 arc(4.37,51.49) 4.4,51.5 v3(4.42,51.52) ; v3(91.08,61.32) 91,61.39 arc(90.94,61.47) 90.93,61.57 90.93,62.27 arc(90.92,62.28) 90.92,62.29 90.91,62.29 ; v3(94.64,17.06) 94.66,17.08 arc(94.69,17.09) 94.72,17.1 U3.36 ; v3(28.94,61.46) 28.95,61.47 arc(28.95,61.47) 28.95,61.48 28.95,62.29 ; 9.63,62.29 9.64,62.29 arc(9.64,62.28) 9.65,62.27 9.65,61.57 arc(9.66,61.47) 9.72,61.39 v3(9.8,61.32) ; 70.11,6.29 70.11,7.1 arc(70.11,7.11) 70.11,7.11 v3(70.12,7.12) ; 9.15,6.29 9.15,7.1 arc(9.15,7.11) 9.15,7.11 v3(9.16,7.12) ; v3(24.74,51.52) 24.72,51.5 arc(24.69,51.49) 24.66,51.48 U3#10.36 ; U3#4.36 33.76,17.1 arc(33.73,17.09) 33.7,17.08 v3(33.68,17.06) ; 70.59,62.29 70.6,62.29 arc(70.6,62.28) 70.61,62.27 70.61,61.57 arc(70.62,61.47) 70.68,61.39 v3(70.76,61.32) ; U3#3.36 54.08,17.1 arc(54.05,17.09) 54.02,17.08 v3(54,17.06) ; v3(45.06,51.52) 45.04,51.5 arc(45.01,51.49) 44.98,51.48 U3#5.36
  Bottom w0.2: v3(8.62,61.46) 8.56,61.46 ; v3(8.62,61.46) 8.62,61.45 arc(8.62,61.45) 8.62,61.44 8.13,60.96 arc(7.69,60.66) 7.17,60.56 6.38,60.56 arc(6.06,60.49) 5.79,60.31 arc(5.61,60.04) 5.54,59.72 5.54,52.62 arc(5.46,52.2) 5.22,51.85 5.07,51.7 arc(4.88,51.57) 4.66,51.52 v3(4.42,51.52) ; v3(8.62,61.46) 9.54,61.46 arc(9.64,61.44) 9.72,61.39 v3(9.8,61.32) ; v3(89.9,61.46) 90.82,61.46 arc(90.92,61.44) 91,61.39 v3(91.08,61.32) ; v3(89.9,61.46) 89.9,61.45 arc(89.9,61.45) 89.9,61.44 89.41,60.96 arc(88.97,60.66) 88.45,60.56 87.66,60.56 arc(87.34,60.49) 87.07,60.31 arc(86.89,60.04) 86.82,59.72 86.82,52.62 arc(86.74,52.2) 86.5,51.85 86.35,51.7 arc(86.16,51.57) 85.94,51.52 v3(85.7,51.52) ; v3(89.9,61.46) 89.84,61.46 ; v3(33.68,17.06) 33.44,17.06 arc(33.22,17.01) 33.03,16.88 32.88,16.73 arc(32.64,16.38) 32.56,15.96 32.56,8.86 arc(32.49,8.54) 32.31,8.27 arc(32.04,8.09) 31.72,8.02 30.93,8.02 arc(30.41,7.92) 29.97,7.62 29.48,7.14 arc(29.48,7.13) 29.48,7.13 v3(29.48,7.12) ; v3(28.94,61.46) 29.86,61.46 arc(29.96,61.44) 30.04,61.39 v3(30.12,61.32) ; v3(28.94,61.46) 28.88,61.46 ; v3(28.94,61.46) 28.94,61.45 arc(28.94,61.45) 28.94,61.44 28.45,60.96 arc(28.01,60.66) 27.49,60.56 26.7,60.56 arc(26.38,60.49) 26.11,60.31 arc(25.93,60.04) 25.86,59.72 25.86,52.62 arc(25.78,52.2) 25.54,51.85 25.39,51.7 arc(25.2,51.57) 24.98,51.52 v3(24.74,51.52) ; v3(54,17.06) 53.76,17.06 arc(53.54,17.01) 53.35,16.88 53.2,16.73 arc(52.96,16.38) 52.88,15.96 52.88,8.86 arc(52.81,8.54) 52.63,8.27 arc(52.36,8.09) 52.04,8.02 51.25,8.02 arc(50.73,7.92) 50.29,7.62 49.8,7.14 arc(49.8,7.13) 49.8,7.13 v3(49.8,7.12) ; v3(50.44,61.32) 50.36,61.39 arc(50.28,61.44) 50.18,61.46 v3(49.26,61.46) ; v3(70.12,7.12) 70.18,7.12 ; v3(70.12,7.12) 70.12,7.13 arc(70.12,7.13) 70.12,7.14 70.61,7.62 arc(71.05,7.92) 71.57,8.02 72.36,8.02 arc(72.68,8.09) 72.95,8.27 arc(73.13,8.54) 73.2,8.86 73.2,15.96 arc(73.28,16.38) 73.52,16.73 73.67,16.88 arc(73.86,17.01) 74.08,17.06 v3(74.32,17.06) ; v3(70.12,7.12) 69.2,7.12 arc(69.1,7.14) 69.02,7.19 v3(68.94,7.26) ; v3(45.06,51.52) 45.3,51.52 arc(45.52,51.57) 45.71,51.7 45.86,51.85 arc(46.1,52.2) 46.18,52.62 46.18,59.72 arc(46.25,60.04) 46.43,60.31 arc(46.7,60.49) 47.02,60.56 47.81,60.56 arc(48.33,60.66) 48.77,60.96 49.26,61.44 arc(49.26,61.45) 49.26,61.45 v3(49.26,61.46) ; v3(7.98,7.26) 8.06,7.19 arc(8.14,7.14) 8.24,7.12 v3(9.16,7.12) ; v3(89.26,7.26) 89.34,7.19 arc(89.42,7.14) 89.52,7.12 v3(90.44,7.12) ; v3(49.26,61.46) 49.2,61.46 ; v3(90.44,7.12) 90.44,7.13 arc(90.44,7.13) 90.44,7.14 90.93,7.62 arc(91.37,7.92) 91.89,8.02 92.68,8.02 arc(93,8.09) 93.27,8.27 arc(93.45,8.54) 93.52,8.86 93.52,15.96 arc(93.6,16.38) 93.84,16.73 93.99,16.88 arc(94.18,17.01) 94.4,17.06 v3(94.64,17.06) ; v3(90.44,7.12) 90.5,7.12 ; v3(29.48,7.12) 29.54,7.12 ; v3(29.48,7.12) 28.56,7.12 arc(28.46,7.14) 28.38,7.19 v3(28.3,7.26) ; v3(65.38,51.52) 65.62,51.52 arc(65.84,51.57) 66.03,51.7 66.18,51.85 arc(66.42,52.2) 66.5,52.62 66.5,59.72 arc(66.57,60.04) 66.75,60.31 arc(67.02,60.49) 67.34,60.56 68.13,60.56 arc(68.65,60.66) 69.09,60.96 69.58,61.44 arc(69.58,61.45) 69.58,61.45 v3(69.58,61.46) ; v3(69.58,61.46) 69.52,61.46 ; v3(69.58,61.46) 70.5,61.46 arc(70.6,61.44) 70.68,61.39 v3(70.76,61.32) ; v3(49.8,7.12) 49.86,7.12 ; v3(49.8,7.12) 48.88,7.12 arc(48.78,7.14) 48.7,7.19 v3(48.62,7.26) ; v3(9.16,7.12) 9.16,7.13 arc(9.16,7.13) 9.16,7.14 9.65,7.62 arc(10.09,7.92) 10.61,8.02 11.4,8.02 arc(11.72,8.09) 11.99,8.27 arc(12.17,8.54) 12.24,8.86 12.24,15.96 arc(12.32,16.38) 12.56,16.73 12.71,16.88 arc(12.9,17.01) 13.12,17.06 v3(13.36,17.06) ; v3(9.16,7.12) 9.22,7.12